# Altium PCB PT-PWR-EPS-002_v1.PcbDoc (part 3 of 3)
Units mm, origin at the board's own origin, x right, y up, seen from the top; angles counter-clockwise.
Board outline 95.89 x 90.17 mm, 4 copper layers (Top Layer, Ground Plane, Power Plane, Bottom Layer), stack 1.508 mm thick; 217 components, 132 nets, 791 pads, 383 vias.
Unrouted connection lines stored in the file: 21.
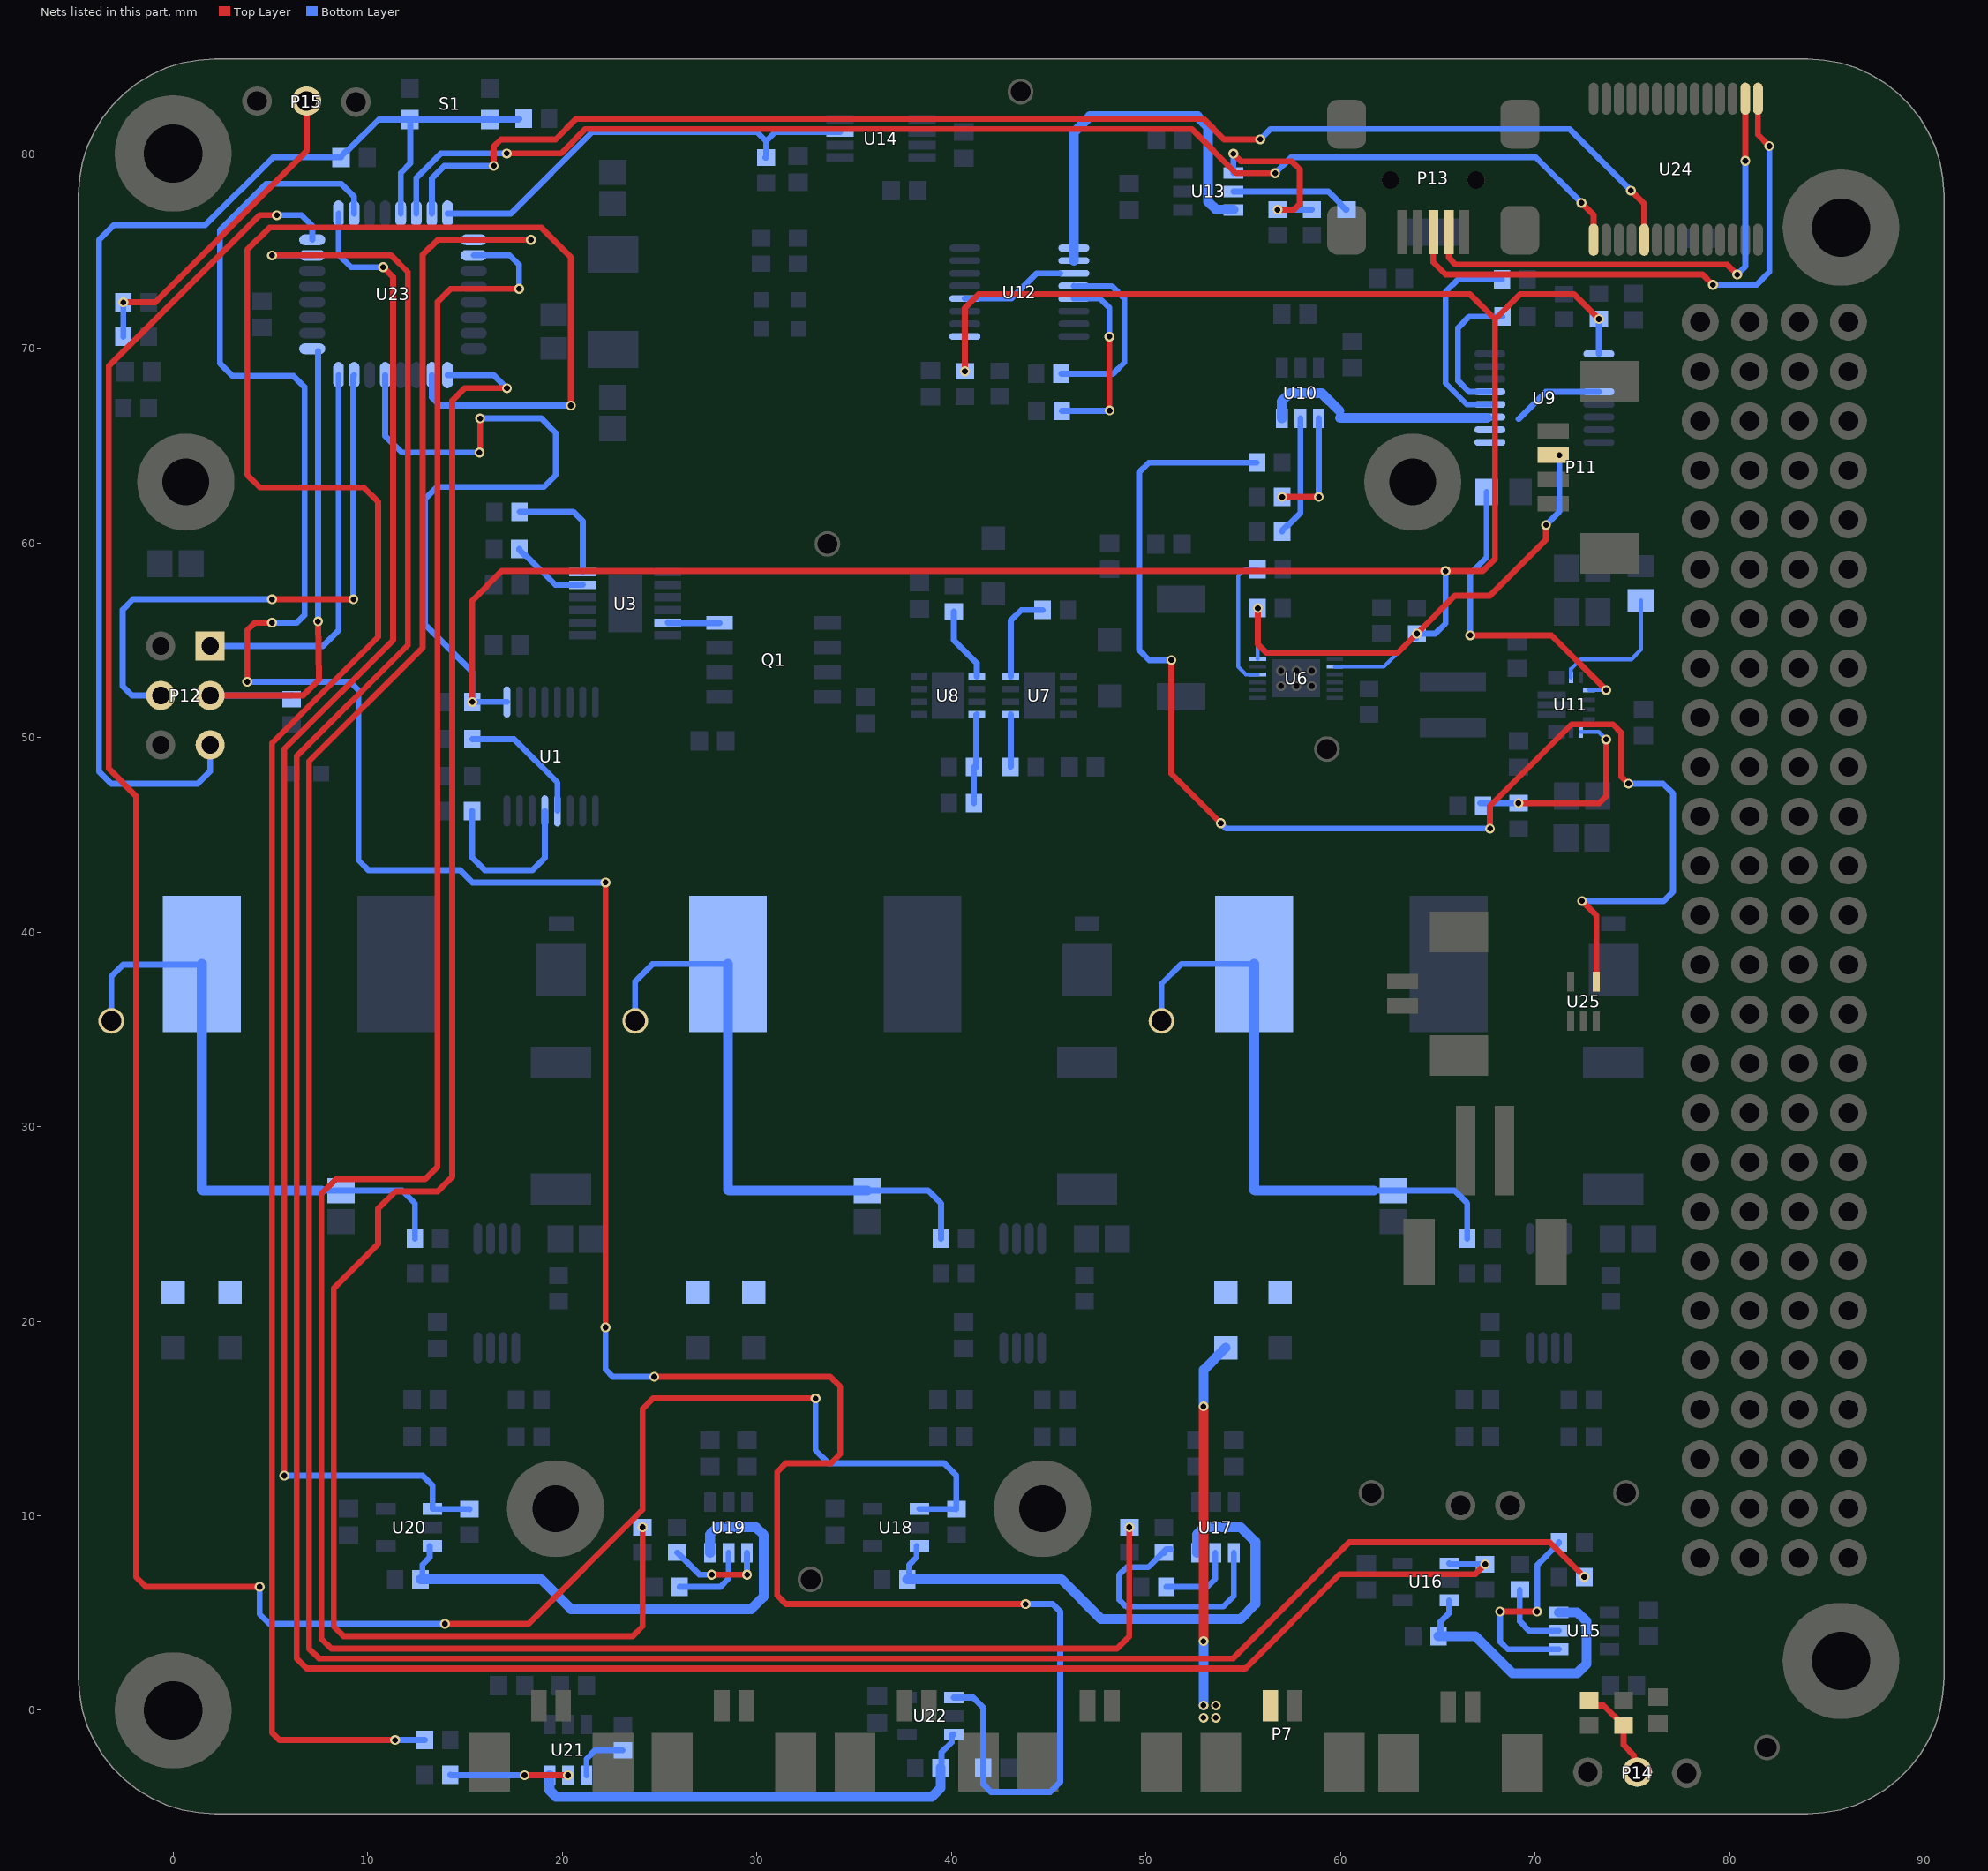
[diagram p5: the nets of this part, all layers, seen from the top]

## Via types
v1: diameter 0.508, hole 0.3, Top Layer to Bottom Layer, tented both sides, 379 vias
v2: diameter 0.35, hole 0.3, Top Layer to Bottom Layer, tented both sides, 4 vias

## Nets (pads, with @x,y where several pads share a name; then routed paths per layer and width w, separated by ;. In a path a pad name is that pad's centre, name@x,y a point inside that pad or via, vN(x,y) a via of type N, cw(c..) or ccw(c..) an arc to the next point about the centre after c; other vN are vias at no path point) (continued)
NetP11_3: P11.3 R2.1 R25.1 R27.1 R38.1 R49.1 U1.9 U6.2 U6.12 U9.9 U12.9 U23.13 | length 184.8
  Top Layer w0.305: v1(15.382,51.822) 15.382,57.038 16.891,58.547 v1(65.405,58.547) 67.31,58.547 67.945,59.182 67.945,71.486 ; v1(15.748,64.643) 15.781,64.676 v1(15.781,66.394) ; v1(40.696,68.81) 40.696,72.065 41.403,72.772 66.659,72.772 67.945,71.486 ; v1(55.753,56.642) 55.753,54.791 56.188,54.356 62.955,54.356 v1(63.929,55.331) 65.876,57.277 67.682,57.277 70.565,60.16 v1(70.565,60.913) ; v1(73.285,71.501) 73.279,71.501 72.008,72.772 69.231,72.772 67.945,71.486
  Bottom Layer w0.203: U6.12@55.753,54.032 v1(55.753,56.642) ; U6.2@59.715,53.632 62.231,53.632 63.675,55.077 R27.1@63.929,55.077
  Bottom Layer w0.305: U23.13@10.903,68.621 10.903,65.488 11.747,64.643 v1(15.748,64.643) ; v1(15.781,66.394) 18.923,66.394 19.665,65.652 19.665,63.48 19.05,62.865 13.557,62.865 12.954,62.262 12.954,55.784 15.382,53.356 v1(15.382,51.822) U1.9@17.156,51.822 ; v1(40.696,68.81) U12.9@40.696,70.599 ; v1(63.929,55.331) 64.874,55.331 65.405,55.862 v1(65.405,58.547) ; v1(70.565,60.913) 71.247,61.595 v1(71.247,64.506) ; U9.9@73.285,69.712 v1(73.285,71.501)
NetP13_2: P13.2 U24.16 | length 25.2
  Top Layer w0.305: P13.2@65.57,75.311 65.57,74.647 65.922,74.295 79.883,74.295 v1(80.391,73.787) ; P13.2@65.57,75.968 P13.2@65.668,75.87 ; v1(80.81,79.629) U24.16@80.81,82.821
  Bottom Layer w0.305: v1(80.391,73.787) 80.81,74.206 v1(80.81,79.629)
NetP13_3: P13.3 U24.15 | length 28.7
  Top Layer w0.305: P13.3@64.77,75.968 64.77,74.422 65.405,73.787 78.613,73.787 v1(79.146,73.254) ; U24.15@81.46,82.821 81.46,80.973 v1(82.042,80.391)
  Bottom Layer w0.305: v1(79.146,73.254) 81.382,73.254 82.042,73.914 v1(82.042,80.391)
NetP14_2: P14.2 R80.1 R81.1 | length 5
  Top Layer w0.305: R80.1@72.776,0.523 72.826,0.523 73.099,0.25 73.522,0.25 R81.1@74.549,-0.777 74.549,-1.778 75.083,-2.312 75.083,-2.942 P14.2@75.316,-3.175
NetP15_2: P15.2 R82.1 R83.1 | length 17
  Top Layer w0.305: v1@-2.54,72.357 -0.922,72.357 6.858,80.137 P15.2@6.858,82.702
  Bottom Layer w0.305: R83.1@-2.555,70.585 v1(-2.555,72.357)
NetQ1_G: Q1.G U3.11 | length 2.7
  Bottom Layer w0.305: U3.11@25.425,55.895 25.44,55.88 Q1.G@28.091,55.88
NetR8_2: R8.2 U1.4 | length 6.8
  Bottom Layer w0.305: R8.2@15.382,49.911 17.526,49.911 19.756,47.681 U1.4@19.756,46.222
NetR9_2: R9.2 U1.5 | length 9.1
  Bottom Layer w0.305: R9.2@15.367,46.222 15.382,46.207 15.382,43.815 16.017,43.18 18.471,43.18 19.106,43.815 U1.5@19.106,46.222
NetR16_2: R16.2 U3.6 | length 6.1
  Bottom Layer w0.305: R16.2@17.806,61.595 20.574,61.595 21.056,61.113 U3.6@21.056,58.496
NetR17_2: R17.2 U3.5 | length 4.1
  Bottom Layer w0.305: R17.2@17.795,59.69 17.795,59.64 18.068,59.367 18.118,59.367 19.639,57.846 U3.5@21.056,57.846
NetR29_1: R29.1 R34.2 U8.8 | length 4.6
  Bottom Layer w0.305: R29.1@41.163,46.624 R34.2@41.163,48.483 ; R34.2@41.29,48.483 41.29,51.167 U8.8@41.304,51.181
NetR30_2: R30.2 U6.10 | length 7
  Bottom Layer w0.203: R30.2@55.738,58.634 55.078,58.634 54.737,58.293 54.737,53.636 55.141,53.232 U6.10@55.753,53.232
NetR31_2: R31.2 U7.5 | length 2.7
  Bottom Layer w0.305: R31.2@43.038,48.483 43.053,48.498 U7.5@43.053,51.181
NetR32_2: R32.2 U8.5 | length 3.8
  Bottom Layer w0.305: R32.2@40.132,56.467 40.132,54.991 41.304,53.819 U8.5@41.304,53.131
NetR33_2: R33.2 U7.8 | length 4.7
  Bottom Layer w0.305: U7.8@43.053,53.131 43.053,56.007 43.591,56.545 R33.2@44.689,56.545
NetR36_1: R36.1 U9.5 | length 7.1
  Bottom Layer w0.305: U9.5@67.685,67.762 66.604,67.762 66.04,68.326 66.04,71.047 66.621,71.628 R36.1@68.326,71.628
NetR39_2: R39.2 U10.4 | length 5.9
  Top Layer w0.305: v1(57.003,62.357) v1(58.888,62.357)
  Bottom Layer w0.305: v1(58.888,62.357) U10.4@58.888,66.394
NetR40_2: R40.2 U10.5 | length 6.2
  Bottom Layer w0.305: R40.2@57.003,60.579 57.003,60.629 57.276,60.902 57.326,60.902 57.938,61.514 U10.5@57.938,66.394
NetR41_2: R41.2 U9.4 | length 10.6
  Bottom Layer w0.305: U9.4@67.685,67.112 66.492,67.112 65.405,68.199 65.405,72.898 66.04,73.533 R41.2@68.311,73.533
NetR42_1: R42.1 U25.4 | length 70.1
  Top Layer w0.305: v1(51.308,53.975) 51.308,48.133 v1(53.848,45.593) ; v1(67.685,45.314) 67.685,46.476 71.882,50.673 74.003,50.673 74.422,50.254 74.422,48.006 v1(74.803,47.625) ; v1(72.415,41.593) 73.152,40.855 U25.4@73.152,37.455
  Bottom Layer w0.305: v1(51.308,53.975) 50.165,53.975 49.657,54.483 49.657,63.627 50.15,64.12 R42.1@55.703,64.12 ; v1(53.848,45.593) 54.127,45.314 v1(67.685,45.314) ; v1(72.415,41.593) 76.61,41.593 77.089,42.072 77.089,47.117 76.581,47.625 v1(74.803,47.625)
NetR43_1: R43.1 U11.1 | length 16.7
  Top Layer w0.305: v1(66.675,55.245) 70.847,55.245 v1(73.66,52.432)
  Bottom Layer w0.203: U11.1@72.776,52.431 v1@73.659,52.431
  Bottom Layer w0.305: v1(66.675,55.245) 66.675,58.42 67.513,59.258 R43.1@67.513,62.611
NetR44_1: R44.1 U11.14 | length 7
  Bottom Layer w0.203: U11.14@71.851,53.081 71.851,53.52 72.338,54.007 74.946,54.007 75.438,54.499 R44.1@75.438,57.051
NetR45_1: R45.1 R46.2 U11.5 | length 11
  Top Layer w0.305: v1(69.151,46.624) 69.167,46.609 73.279,46.609 73.66,46.99 v1(73.66,49.895)
  Bottom Layer w0.203: U11.5@72.351,50.281 73.274,50.281 v1(73.66,49.895)
  Bottom Layer w0.305: R46.2@67.183,46.624 v1(69.151,46.624)
NetR47_1: R47.1 U12.4 | length 9.6
  Bottom Layer w0.305: R47.1@45.655,68.683 48.31,68.683 48.895,69.268 48.895,72.54 48.24,73.195 46.3,73.195 U12.4@46.296,73.199
NetR50_2: R50.2 R51.2 U13.4 | length 9.6
  Top Layer w0.305: v1(54.495,79.998) 54.889,79.604 57.505,79.604 57.912,79.197 57.912,77.425 57.606,77.119 v1(56.769,77.119)
  Bottom Layer w0.305: v1@54.483,80.01 v1(54.495,79.998) U13.4@54.495,79.004 ; v1(56.769,77.119) R51.2@58.532,77.119
NetR52_2: R52.2 U13.5 | length 6.2
  Bottom Layer w0.305: U13.5@54.495,78.054 59.375,78.054 59.987,77.442 59.987,77.392 60.26,77.119 R52.2@60.31,77.119
NetR53_2: R53.2 U12.5 | length 9.8
  Top Layer w0.305: v1(48.125,70.599) 48.125,66.81 v1(48.133,66.802)
  Bottom Layer w0.305: R53.2@45.67,66.778 v1@48.133,66.778 ; U12.5@46.296,72.549 47.649,72.549 48.125,72.072 v1(48.125,70.599)
NetR54_2: R54.2 U14.7 U23.32 | length 23.2
  Bottom Layer w0.305: U23.32@14.103,76.921 17.358,76.921 21.539,81.102 30.023,81.102 30.48,80.645 ; R54.2@30.43,79.804 R54.2@30.48,79.804 30.48,80.645 ; U14.7@34.279,81.102 30.937,81.102 30.48,80.645
NetR55_1: R55.1 U15.6 U16.3 | length 14.3
  Bottom Layer w0.305: R55.1@65.143,3.914 65.143,4.564 65.589,5.01 U16.3@65.589,5.654
  Bottom Layer w0.508: R55.1@65.039,3.81 66.929,3.81 68.834,1.905 72.161,1.905 72.644,2.388 72.644,4.572 72.177,5.039 U15.6@71.217,5.039
NetR56_2: R56.2 U15.4 | length 10.7
  Top Layer w0.305: v1(68.199,5.08) v1(70.104,5.08)
  Bottom Layer w0.305: v1(68.199,5.08) 68.199,3.541 68.601,3.139 U15.4@71.217,3.139 ; v1(70.104,5.08) 70.104,7.458 71.232,8.586 R56.2@71.232,8.636
NetR57_2: R57.2 U15.5 | length 3.8
  Bottom Layer w0.305: R57.2@69.215,6.208 69.215,4.572 69.698,4.089 U15.5@71.217,4.089
NetR58_2: R58.2 U16.1 U23.23 | length 148.4
  Top Layer w0.305: v1(5.08,74.771) 11.208,74.771 12.065,73.914 12.065,54.737 6.35,49.022 6.35,2.667 6.858,2.159 55.118,2.159 59.959,7 66.929,7 v1(67.437,7.508)
  Bottom Layer w0.305: v1(5.08,74.771) U23.23@7.153,74.771 ; U16.1@65.589,7.554 65.635,7.508 v1(67.437,7.508)
NetR59_1: R59.1 U23.1 | length 151.9
  Top Layer w0.305: v1@18.415,75.565 13.589,75.565 12.827,74.803 12.827,54.61 6.985,48.768 6.985,3.175 7.493,2.667 54.483,2.667 60.452,8.636 70.754,8.636 v1(72.532,6.858)
  Bottom Layer w0.305: U23.1@15.453,75.571 v1(18.395,75.571)
NetR60_1: R60.1 U17.6 U18.3 | length 28.4
  Bottom Layer w0.305: R60.1@37.838,6.835 37.838,7.485 38.214,7.861 U18.3@38.214,8.448
  Bottom Layer w0.508: R60.1@37.734,6.731 45.659,6.731 47.691,4.699 54.864,4.699 55.626,5.461 55.626,8.657 54.87,9.413 52.994,9.413 52.619,9.038 U17.6@52.619,8.098
NetR61_2: R61.2 U17.4 | length 13
  Bottom Layer w0.305: R61.2@50.942,8.098 R61.2@50.927,8.113 R61.2@50.877,8.113 ; R61.2@51.286,8.277 51.041,8.277 R61.2@50.877,8.113 ; U17.4@54.519,8.098 54.519,5.878 53.975,5.334 48.98,5.334 48.632,5.682 48.632,6.976 49.013,7.357 50.121,7.357 R61.2@50.877,8.113
NetR62_2: R62.2 U17.5 | length 4
  Bottom Layer w0.305: R62.2@51.054,6.35 53.149,6.35 53.569,6.77 U17.5@53.569,8.098
NetR63_2: R63.2 U18.1 U23.24 | length 136.1
  Top Layer w0.305: v1(4.445,6.35) -1.397,6.35 -1.905,6.858 -1.905,46.99 -3.302,48.387 -3.302,69.088 4.445,76.835 v1(5.334,76.835) ; v1(13.97,4.445) 18.263,4.445 24.129,10.311 24.129,15.493 24.663,16.027 v1(33.02,16.027)
  Bottom Layer w0.305: v1(4.445,6.35) 4.445,4.953 4.953,4.445 v1(13.97,4.445) ; v1(5.334,76.835) 6.604,76.835 7.153,76.286 U23.24@7.153,75.571 ; v1(33.02,16.027) 33.02,13.365 33.685,12.7 39.624,12.7 40.259,12.065 R63.2@40.259,10.338 40.249,10.348 U18.1@38.354,10.348
NetR64_1: R64.1 U23.2 | length 129.7
  Top Layer w0.305: v1(17.78,73.049) 14.248,73.049 13.589,72.39 13.589,27.94 12.954,27.305 8.382,27.305 7.62,26.543 7.62,3.683 8.128,3.175 48.514,3.175 49.149,3.81 v1(49.149,9.413)
  Bottom Layer w0.305: U23.2@15.453,74.771 17.304,74.771 17.78,74.295 v1(17.78,73.049)
NetR65_1: R65.1 U19.6 U20.3 | length 27.5
  Bottom Layer w0.305: R65.1@12.818,6.835 12.818,7.485 13.194,7.861 U20.3@13.194,8.448 ; U19.6@27.584,8.113 U19.6@27.599,8.098
  Bottom Layer w0.508: R65.1@12.714,6.731 18.922,6.731 20.446,5.207 29.718,5.207 30.353,5.842 30.353,9.017 29.957,9.413 27.974,9.413 27.599,9.038 U19.6@27.599,8.098
NetR66_2: R66.2 U19.4 | length 5.2
  Top Layer w0.305: v1(27.686,6.976) v1(29.499,6.976)
  Bottom Layer w0.305: R66.2@25.907,8.113 27.044,6.976 v1(27.686,6.976) ; v1(29.499,6.976) U19.4@29.499,8.098
NetR67_2: R67.2 U19.5 | length 4
  Bottom Layer w0.305: R67.2@26.034,6.35 28.13,6.35 28.549,6.77 U19.5@28.549,8.098
NetR68_2: R68.2 U20.1 U23.25 | length 80.2
  Top Layer w0.305: v1(5.714,12.065) 5.714,12.102 5.715,12.103 5.715,49.403 11.303,54.991 11.303,73.66 v1(10.795,74.168)
  Bottom Layer w0.305: v1(5.714,12.065) 12.827,12.065 13.334,11.558 U20.1@13.334,10.348 15.229,10.348 R68.2@15.239,10.338 ; U23.25@8.503,76.921 8.503,74.809 9.144,74.168 v1(10.795,74.168)
NetR69_1: R69.1 U23.9 | length 94.6
  Top Layer w0.305: v1(17.156,67.945) 14.986,67.945 14.351,67.31 14.351,27.417 13.604,26.67 11.43,26.67 10.541,25.781 10.541,23.972 8.255,21.686 8.255,4.318 8.763,3.81 23.622,3.81 24.13,4.318 v1@24.13,9.398
  Bottom Layer w0.305: U23.9@14.103,68.621 16.48,68.621 v1(17.156,67.945)
  other v1: 24.129,9.413
NetR70_1: R70.1 U21.6 U22.3 | length 24.3
  Bottom Layer w0.305: R70.1@39.447,-2.96 39.494,-2.913 39.494,-2.162 40.026,-1.63 40.026,-1.244 U22.3@40.124,-1.244
  Bottom Layer w0.508: U21.6@19.345,-3.332 19.345,-4.105 19.685,-4.445 38.989,-4.445 39.447,-3.987 R70.1@39.447,-2.96
NetR71_2: R71.2 U21.4 | length 2.9
  Bottom Layer w0.305: U21.4@21.245,-3.332 21.245,-2.504 21.702,-2.047 R71.2@23.114,-2.047
NetR72_2: R72.2 U21.5 | length 6.1
  Top Layer w0.305: v1(18.064,-3.332) v1(20.295,-3.332)
  Bottom Layer w0.305: R72.2@14.239,-3.302 14.269,-3.332 v1(18.064,-3.332)
NetR73_2: R73.2 U22.1 U23.26 | length 150.7
  Top Layer w0.305: v1(3.81,52.86) 3.81,55.499 4.206,55.895 v1(5.08,55.895) ; v1(22.225,19.685) v1(22.225,42.545) ; v1(24.734,17.145) 33.782,17.145 34.29,16.637 34.29,13.177 33.813,12.7 31.496,12.7 31.051,12.255 31.051,5.905 31.496,5.461 v1(43.815,5.461)
  Bottom Layer w0.305: v1(3.81,52.86) 9.096,52.86 9.525,52.431 9.525,43.688 10.033,43.18 14.747,43.18 15.382,42.545 v1(22.225,42.545) ; v1(5.08,55.895) 6.365,55.895 6.756,56.286 6.756,68.006 6.182,68.58 3.048,68.58 2.413,69.215 2.413,76.073 4.794,78.454 8.636,78.454 9.303,77.787 U23.26@9.303,76.921 ; v1(22.225,19.685) 22.225,17.526 22.606,17.145 v1(24.734,17.145) ; U22.1@40.124,0.656 41.127,0.656 41.641,0.142 R73.2@41.641,-2.946 41.641,-3.795 42.038,-4.192 42.29,-4.192 45.085,-4.191 45.593,-3.683 45.593,5.08 45.212,5.461 v1(43.815,5.461)
NetR74_1: R74.1 U23.10 | length 126.2
  Top Layer w0.305: v1(11.414,-1.524) 5.461,-1.524 5.08,-1.143 5.08,11.43 5.08,49.698 10.541,55.159 10.541,62.103 9.795,62.849 4.461,62.849 3.81,63.5 3.81,75.057 4.953,76.2 18.923,76.2 20.447,74.676 v1(20.447,67.056)
  Bottom Layer w0.305: v1(11.414,-1.524) R74.1@12.939,-1.524 ; U23.10@13.303,68.621 13.303,67.469 13.716,67.056 v1(20.447,67.056)
NetU9_1: U9.1 U9.2 U9.3 U9.12 U10.6 | length 16.7
  Bottom Layer w0.305: 69.151,66.358 70.556,67.762 U9.12@73.285,67.762
  Bottom Layer w0.508: U10.6@56.988,66.394 56.988,67.275 57.404,67.691 59.031,67.691 59.944,66.778 ; 59.987,66.421 U9.3@67.547,66.421
NetU12_1: U12.1 U12.2 U12.3 U12.12 U13.6 | length 24.8
  Bottom Layer w0.305: U12.12@40.696,72.549 43.085,72.549 44.385,73.849 U12.3@45.593,73.849 ; U13.6@54.495,77.104 U13.6@54.51,77.119
  Bottom Layer w0.508: U12.2@46.296,74.499 U12.1@46.296,75.149 46.296,81.094 47.117,81.915 52.654,81.915 53.198,81.371 53.198,77.535 53.614,77.119 U13.6@54.51,77.119
RESET: C55.2 P12.5 R75.1 S1.1 U23.29 | length 64.2
  Bottom Layer w0.305: P12.5@1.905,49.616 1.905,48.26 1.27,47.625 -3.175,47.625 -3.81,48.26 -3.81,75.565 -3.048,76.327 1.651,76.327 5.131,79.807 C55.2@8.628,79.807 8.628,79.857 8.926,80.154 8.976,80.154 10.571,81.75 S1.1@12.174,81.75 ; U23.29@11.703,76.921 11.703,79.013 12.192,79.502 12.192,81.732 S1.1@12.174,81.75 ; R75.1@17.794,81.788 17.756,81.75 S1.1@16.274,81.75 S1.1@12.174,81.75
RX: U23.31 U24.5 | length 70.1
  Top Layer w0.305: v1(16.481,79.375) 16.481,80.362 16.852,80.733 19.665,80.733 20.72,81.788 52.959,81.788 54.014,80.733 v1(55.88,80.733) ; v1(74.93,78.105) 75.61,77.425 U24.5@75.61,75.571
  Bottom Layer w0.305: U23.31@13.303,76.921 13.303,78.74 13.938,79.375 v1(16.481,79.375) ; v1(55.88,80.733) 56.415,81.268 71.767,81.268 v1(74.93,78.105)
SPI_MISO: P12.1 U23.16 | length 20.1
  Bottom Layer w0.305: P12.1@1.905,54.696 7.706,54.696 8.503,55.493 U23.16@8.503,68.621
SPI_MOSI: P12.4 U23.15 | length 29.7
  Top Layer w0.305: v1(5.08,57.095) v1(9.271,57.095)
  Bottom Layer w0.305: P12.4@-0.635,52.156 -2.118,52.156 -2.595,52.633 -2.595,56.562 -2.061,57.095 v1(5.08,57.095) ; v1(9.271,57.095) 9.271,68.589 U23.15@9.303,68.621
SPI_SCK: P12.3 R78.2 U23.17 | length 27.1
  Top Layer w0.305: P12.3@1.905,52.156 6.69,52.156 7.493,52.959 v1(7.448,55.962) v1@7.379,55.962
  Bottom Layer w0.305: P12.3@1.905,52.156 6.069,52.156 R78.2@6.096,52.183 ; v1(7.448,55.962) U23.17@7.448,69.844
TX: U23.30 U24.1 | length 67.2
  Top Layer w0.305: v1(17.145,80.01) 19.939,80.01 21.195,81.266 52.353,81.266 54.625,78.994 v1(56.642,78.994) ; v1(72.39,77.47) 73.01,76.85 U24.1@73.01,75.571
  Bottom Layer w0.305: U23.30@12.503,76.921 12.503,78.765 13.748,80.01 v1(17.145,80.01) ; v1(56.642,78.994) 57.455,79.807 70.053,79.807 v1(72.39,77.47)
X: C4.2 D1.2 D3.2 L1.1 R4.1 TP1.1 | length 31.9
  Bottom Layer w0.305: TP1.1@-3.175,35.433 -3.175,37.719 -2.571,38.323 1.446,38.323 L1.1@1.477,38.354 ; 1.477,26.749 1.524,26.702 1.53,26.708 ; 7.62,26.708 C4.2@8.636,26.708 11.773,26.708 12.431,26.05 R4.1@12.431,24.232
  Bottom Layer w0.508: 1.477,26.749 L1.1@1.477,38.354 ; 1.53,26.708 7.62,26.708
Y: C12.2 D2.2 D4.2 L2.1 R12.1 TP4.1 | length 32.9
  Bottom Layer w0.305: TP4.1@23.749,35.433 23.749,37.465 24.638,38.354 L2.1@28.513,38.354 ; 28.513,26.749 28.56,26.702 28.566,26.708 ; 34.656,26.708 38.809,26.708 39.467,26.05 R12.1@39.467,24.232
  Bottom Layer w0.508: 28.513,26.749 L2.1@28.513,38.354 ; 28.566,26.708 C12.2@35.672,26.708
Z: C17.2 D5.2 D6.2 L3.1 R20.1 TP5.1 | length 31.8
  Bottom Layer w0.305: TP5.1@50.8,35.433 50.8,37.338 51.816,38.354 L3.1@55.564,38.354 ; 55.564,26.749 55.611,26.702 55.617,26.708 ; 61.707,26.708 C17.2@62.723,26.708 65.86,26.708 66.518,26.05 R20.1@66.518,24.232
  Bottom Layer w0.508: 55.564,26.749 L3.1@55.564,38.354 ; 55.617,26.708 61.707,26.708
Z+: D5.1 P7.1 | length 18.9
  Top Layer w0.508: v1(52.959,3.556) v1(52.959,15.621)
  Bottom Layer w0.508: v1(52.959,0.254) v1(52.959,3.556) ; v1(52.959,15.621) 52.959,17.493 D5.1@54.102,18.636
  other v1: 52.959,-0.381 53.594,-0.381 53.594,0.254
pads on no net: P1.2 P1.4 P1.19 P1.20 P1.21 P1.22 P1.23 P1.24 P1.25 P1.26 P1.27 P1.28 P1.29 P1.30 P1.31 P1.32 P1.33 P1.34 P1.35 P1.36 P1.37 P1.38 P1.39 P1.40 P1.42 P1.44 P1.45 P1.46 P1.47 P1.48 P1.49 P1.50 P2.19 P2.20 P2.21 P2.22 P2.23 P2.24 P2.25 P2.26 P2.27 P2.28 P2.33 P2.34 P2.35 P2.36 P2.37 P2.38 P2.39 P2.40 P2.41 P2.42 P2.43 P2.44 P2.45 P2.46 P2.47 P2.48 P2.49 P2.50 P2.51 P2.52 P3.0 P4.0 P5.0 P6.0 P7.0 P8.0 P9. P10.0 P11.0 P13.4 P13.M P13.S U1.7 U1.13 U3.13 U6.4 U6.9 U6.11 U9.7 U9.13 U11.2 U12.7 U12.13 U23.11 U23.14 U23.19 U23.22 U24.3 U24.6 U24.8 U24.9 U24.10 U24.11 U24.12 U24.13 U24.14 U24.19 U24.24 U24.27 U24.28

## Polygon pours and split planes (outlines as drawn)
GND on Top Layer "Top Layer-GND 6" (solid, pour order 338): 66.929,31.75 66.929,26.416 64.969,26.416 64.969,31.75
GND on Top Layer "Top Layer-GND 1" (solid, pour order 336): 66.294,-0.815 66.294,1.598 70.485,1.598 70.485,-0.815
Z+ on Top Layer "Top Layer-Y+" (solid, pour order 110): 56.896,-0.762 56.896,1.651 52.578,1.651 52.578,-0.762
NetP1_9 on Top Layer "Top Layer-NetP1_9" (solid, pour order 308): 87.503,62.23 87.503,57.522 87.494,57.512 77.216,57.512 77.216,62.23
NetC22_2 on Top Layer "Top Layer-NetP1_5" (solid, pour order 334): 87.503,72.39 87.503,67.682 87.494,67.672 82.423,67.672 82.423,72.39
no net on Top Layer "Top Layer-No Net 1" (solid, pour order 324): 68.961,26.543
NetP1_5 on Top Layer "Top Layer-NetP1_5" (solid, pour order 314): 87.503,67.31 87.503,62.602 87.494,62.592 77.216,62.592 77.216,67.31
NetD6_1 on Top Layer "Top Layer-Z+" (solid, pour order 306): 87.503,52.07 87.503,49.911 77.216,49.911 77.216,52.07
NetC38_2 on Top Layer "Top Layer-NetC41_2" (solid, pour order 304): 87.503,57.15 87.503,52.442 87.494,52.432 77.216,52.432 77.216,57.15
NetD4_1 on Top Layer "Top Layer-X+" (solid, pour order 278): 47.498,-0.762 47.498,1.651 43.18,1.651 43.18,-0.762
NetD2_1 on Top Layer "Top Layer-Y+" (solid, pour order 92): 38.1,-0.762 38.1,1.651 33.782,1.651 33.782,-0.762
NetD3_1 on Top Layer "Top Layer-X+" (solid, pour order 270): 28.702,-0.762 28.702,1.651 24.384,1.651 24.384,-0.762
NetD1_1 on Top Layer "Top Layer-X+" (solid, pour order 14): 19.304,-0.762 19.304,1.651 14.986,1.651 14.986,-0.762
NetL4_2 on Top Layer "Top Layer-NetL4_2" (solid, pour order 224): 71.247,51.435 71.247,50.927 71.228,50.946 68.072,50.946 68.072,50.927 67.31,50.165 64.135,50.165 64.135,51.435
NetL4_1 on Top Layer "Top Layer-NetL4_1" (solid, pour order 222): 71.247,51.943 71.247,52.451 71.228,52.432 68.072,52.432 68.072,52.451 67.31,53.213 64.135,53.213 64.135,51.943
GND on Top Layer "Top Layer-GND 1" (solid, pour order 10): 57.15,-0.762 57.15,1.651 61.341,1.651 61.341,-0.762
GND on Top Layer "Top Layer-GND 2" (solid, pour order 8): 47.752,-0.762 47.752,1.651 51.943,1.651 51.943,-0.762
GND on Top Layer "Top Layer-GND 3" (solid, pour order 6): 38.354,-0.762 38.354,1.651 42.545,1.651 42.545,-0.762
GND on Top Layer "Top Layer-GND 4" (solid, pour order 4): 28.956,-0.762 28.956,1.651 33.147,1.651 33.147,-0.762
GND on Top Layer "Top Layer-GND 5" (solid, pour order 0): 19.558,-0.762 19.558,1.651 23.749,1.651 23.749,-0.762
GND on Bottom Layer "Bottom Layer-No Net 3" (solid, pour order 310): 30.098,14.478 30.098,13.335 23.875,13.335 23.875,14.478
4V2_MPB on Bottom Layer "Bottom Layer-4V2_MPB 4" (solid, pour order 232): 56.134,65.278 56.134,68.072 56.54,68.478 57.404,68.478 57.404,72.39 55.88,72.39 55.245,71.755 55.245,65.278
NetU9_1 on Bottom Layer "Bottom Layer-NetU9_6" (solid, pour order 190): 59.563,66.929 66.194,66.929 66.448,66.675 69.469,66.675 69.469,64.897 66.421,64.897 65.405,65.913 59.563,65.913
3V3_EPS on Bottom Layer "Bottom Layer-3V3_EPS 4" (solid, pour order 354): 19.685,-1.244 19.685,-0.127 18.796,0.762 18.796,2.794 13.563,2.794 12.818,2.049 12.827,2.039 12.827,0.889 13.589,0.889 13.589,1.94 13.843,2.194 17.121,2.194 17.526,1.789 17.526,-1.244
GND on Bottom Layer "Bottom Layer-GND 13" (solid, pour order 352): 61.976,6.727 61.972,6.731 59.944,6.731 59.944,4.426 61.976,4.426
GND on Bottom Layer "Bottom Layer-GND 14" (solid, pour order 346): 43.688,47.117 45.339,47.117 45.339,52.959 46.482,52.959 46.482,54.991 43.69,54.991 43.688,54.993
no net on Bottom Layer "Bottom Layer-No Net 15" (solid, pour order 344): 43.845,48.006
GND on Bottom Layer "Bottom Layer-GND 15" (solid, pour order 342): 37.846,51.382 38.989,51.382 38.989,53.356 40.657,53.356 40.665,53.348 40.665,49.276 37.846,49.276
GND on Bottom Layer "Bottom Layer-GND 11" (solid, pour order 198): 72.351,59.904 72.351,55.608 70.972,54.229 68.199,54.229 68.199,59.904
Z+ on Bottom Layer "Bottom Layer-Y+" (solid, pour order 112): 52.578,0.635 53.975,0.635 53.975,-0.762 52.578,-0.762
4V2_MPB on Bottom Layer "Bottom Layer-4V2_MPB" (solid, pour order 180): 36.195,56.388 34.925,56.388 34.925,60.96 42.911,60.96 42.926,60.945 42.926,59.563 39.315,59.563 38.894,59.984 36.616,59.984 36.195,59.563
3V3_EPS on Bottom Layer "Bottom Layer-3V3_EPS 3" (solid, pour order 204): 70.612,50.657 70.612,49.768 72.517,47.863 72.517,43.037 72.517,42.656 76.708,42.656 76.708,45.323 74.422,45.323 74.041,45.704 74.041,48.244 73.447,48.838 72.517,48.838 71.587,49.768 71.587,50.657
3V3_EPS on Bottom Layer "Bottom Layer-No Net 4" (solid, pour order 312): 27.944,10.16 27.939,11.303 28.193,11.557 28.193,13.081 23.898,13.081 23.479,12.662 23.479,10.16 24.764,10.16
GND on Bottom Layer "Bottom Layer-GND" (solid, pour order 302): 55.118,14.478 55.118,13.335 48.895,13.335 48.895,14.478
3V3_EPS on Bottom Layer "Bottom Layer-3V3_EPS" (solid, pour order 300): 52.964,10.16 52.959,11.303 53.213,11.557 53.213,13.081 48.918,13.081 48.499,12.662 48.499,10.16 49.784,10.16
Z on Bottom Layer "Bottom Layer-Z" (solid, pour order 282): 58.024,29.337 58.024,20.701 52.964,20.701 52.964,29.337
NetD4_1 on Bottom Layer "Bottom Layer-Y+" (solid, pour order 280): 43.18,0.635 44.577,0.635 44.577,-0.762 43.18,-0.762
NetD2_1 on Bottom Layer "Bottom Layer-Y+" (solid, pour order 98): 33.782,0.635 35.179,0.635 35.179,-0.762 33.782,-0.762
Y on Bottom Layer "Bottom Layer-Y" (solid, pour order 276): 30.973,29.337 30.973,20.701 25.913,20.701 25.913,29.337
NetD3_1 on Bottom Layer "Bottom Layer-X+" (solid, pour order 274): 24.384,0.635 25.781,0.635 25.781,-0.762 24.384,-0.762
X on Bottom Layer "Bottom Layer-X" (solid, pour order 268): 3.937,29.337 3.937,20.701 -1.123,20.701 -1.123,29.337
no net on Bottom Layer "Bottom Layer-No Net 5" (solid, pour order 266): 3.683,20.955
NetD1_1 on Bottom Layer "Bottom Layer-X+" (solid, pour order 24): 14.986,0.635 16.383,0.635 16.383,-0.762 14.986,-0.762
Z on Bottom Layer "Bottom Layer-NetC6_2" (solid, pour order 102): 58.024,29.337 58.024,42.545 52.964,42.545 52.964,29.337
Y on Bottom Layer "Bottom Layer-NetC6_2" (solid, pour order 86): 30.973,29.337 30.973,42.545 25.913,42.545 25.913,29.337
X on Bottom Layer "Bottom Layer-NetC1_2" (solid, pour order 22): 3.937,29.337 3.937,42.545 -1.123,42.545 -1.123,29.337
GND on Bottom Layer "Bottom Layer-GND 1" (solid, pour order 264): 74.676,0.635 74.676,3.556 74.549,3.683 73.285,3.683 73.285,4.445 79.502,4.445 79.502,0.635
no net on Bottom Layer "Bottom Layer-No Net 6" (solid, pour order 262): 73.285,3.683
no net on Bottom Layer "Bottom Layer-No Net 7" (solid, pour order 260): 74.676,0.635
no net on Bottom Layer "Bottom Layer-No Net 8" (solid, pour order 258): 74.676,0.635
3V3_EPS on Bottom Layer "Bottom Layer-3V3_EPS 1" (solid, pour order 254): 79.502,4.564 79.502,8.89 74.382,8.89 73.285,7.793 73.285,4.564
NetC38_2 on Bottom Layer "Bottom Layer-NetC41_2" (solid, pour order 252): 40.132,80.645 44.45,80.645 44.45,83.947 40.132,83.947
NetC39_2 on Bottom Layer "Bottom Layer-NetC39_2" (solid, pour order 250): 41.973,73.66 41.973,76.081 41.219,76.835 37.749,76.835 37.465,77.119 37.465,80.137 37.592,80.264 39.228,80.264 39.228,80.733 36.613,80.733 36.195,80.315 36.195,73.66
no net on Bottom Layer "Bottom Layer-No Net 9" (solid, pour order 248): 41.973,73.66
no net on Bottom Layer "Bottom Layer-No Net 10" (solid, pour order 246): 41.402,73.66
GND on Bottom Layer "Bottom Layer-GND 2" (solid, pour order 244): 37.719,80.01 39.243,80.01 39.497,80.264 41.275,80.264 41.275,77.52 37.719,77.52
NetU12_1 on Bottom Layer "Bottom Layer-NetU12_6" (solid, pour order 242): 47.117,73.66 47.117,81.026 47.752,81.661 47.752,82.169 46.736,82.169 45.466,80.899 45.466,73.66
no net on Bottom Layer "Bottom Layer-No Net 11" (solid, pour order 236): 56.246,76.25
4V2_MPB on Bottom Layer "Bottom Layer-4V2_MPB 3" (solid, pour order 234): 57.262,76.25 52.817,76.25 52.411,76.656 52.411,77.52 48.499,77.52 48.499,75.996 49.134,75.361 57.262,75.361
no net on Bottom Layer "Bottom Layer-No Net 12" (solid, pour order 230): 56.134,64.643
GND on Bottom Layer "Bottom Layer-GND 3" (solid, pour order 228): 63.5,49.702 63.5,47.498 62.469,47.498 62.469,49.702
GND on Bottom Layer "Bottom Layer-GND 4" (solid, pour order 226): 63.754,49.702 63.754,53.554 67.809,53.554 67.818,53.563 67.818,54.737 63.858,54.737 62.469,53.348 62.469,49.702
GND on Bottom Layer "Bottom Layer-GND 5" (solid, pour order 220): 68.262,49.149 67.676,49.149 67.676,49.702 63.5,49.702 63.5,47.498 68.262,47.498
GND on Bottom Layer "Bottom Layer-GND 6" (solid, pour order 218): 72.009,51.531 69.977,51.531 69.611,51.165 63.754,51.165 63.754,51.681 72.009,51.681
GND on Bottom Layer "Bottom Layer-GND 7" (solid, pour order 216): 72.009,51.831 69.977,51.831 69.611,52.197 63.739,52.197 63.739,51.681 72.009,51.681
GND on Bottom Layer "Bottom Layer-GND 8" (solid, pour order 214): 72.38,47.498 72.38,44.069 70.851,44.069 69.85,45.07 69.85,47.498
GND on Bottom Layer "Bottom Layer-GND 9" (solid, pour order 212): 72.415,47.498 72.415,47.77 71.036,49.149 68.262,49.149 68.262,47.498
3V3_EPS on Bottom Layer "Bottom Layer-3V3_EPS 2" (solid, pour order 210): 70.675,50.657 68.39,50.657 68.389,49.319 70.21,49.319 70.675,49.784
GND on Bottom Layer "Bottom Layer-GND 10" (solid, pour order 200): 76.2,50.546 74.295,50.546 74.295,48.26 76.2,48.26
NetC28_2 on Bottom Layer "Bottom Layer-NetC29_2" (solid, pour order 194): 70.612,52.705 70.612,53.594 72.517,55.499 72.517,60.325 71.755,61.087 71.755,66.645 71.755,66.675 76.2,66.675 76.2,58.039 74.422,58.039 74.041,57.658 74.041,55.118 73.447,54.524 72.517,54.524 71.587,53.594 71.587,52.705
NetC28_2 on Bottom Layer "Bottom Layer-NetC29_2 1" (solid, pour order 196): 70.612,52.705 68.326,52.705 68.326,54.059 70.147,54.059 70.612,53.594
no net on Bottom Layer "Bottom Layer-No Net 13" (solid, pour order 192): 70.612,52.705
no net on Bottom Layer "Bottom Layer-No Net 14" (solid, pour order 188): 68.692,64.897 68.707,64.912 68.707,66.675
GND on Bottom Layer "Bottom Layer-GND 12" (solid, pour order 186): 36.195,51.308 29.718,51.308 29.718,47.625 36.195,47.625
NetD10_2 on Bottom Layer "Bottom Layer-NetD7_2" (solid, pour order 184): 53.912,52.133 53.086,52.959 47.625,52.959 47.371,52.705 47.371,51.562 47.625,51.308 56.261,51.308 56.261,52.133
NetC22_2 on Bottom Layer "Bottom Layer-NetC24_2" (solid, pour order 182): 53.086,59.054 50.546,59.056 50.546,56.119 54.341,52.324 56.261,52.324 56.261,52.578 54.626,52.578 53.086,54.118
no net on Bottom Layer "Bottom Layer-No Net 1" (solid, pour order 178): 36.068,56.276
NetC21_2 on Bottom Layer "Bottom Layer-NetC21_2" (solid, pour order 172): 42.799,57.776 41.529,57.776 41.529,59.182 48.753,59.182 48.753,54.356 47.498,54.356 47.498,57.912 42.799,57.912
NetC21_2 on Bottom Layer "Bottom Layer-NetC21_2 1" (solid, pour order 170): 41.529,57.776 41.529,56.458 41.91,56.077 41.91,52.696 42.418,52.696 42.418,57.776
NetC21_2 on Bottom Layer "Bottom Layer-NetC21_2 2" (solid, pour order 168): 42.799,57.776 42.799,56.467 42.418,56.086 42.418,52.705 41.91,52.705 41.91,57.776
NetD10_2 on Bottom Layer "Bottom Layer-NetD7_2 1" (solid, pour order 164): 52.959,52.705 45.466,52.705 45.466,51.562 52.959,51.562
NetC21_2 on Bottom Layer "Bottom Layer-NetC21_2 3" (solid, pour order 162): 43.561,52.705 40.767,52.705 40.767,51.562 43.561,51.562
4V2_MPB on Bottom Layer "Bottom Layer-4V2_MPB 1" (solid, pour order 160): 36.195,51.562 38.862,51.562 38.862,52.705 36.195,52.705
4V2_MPB on Bottom Layer "Bottom Layer-4V2_MPB 2" (solid, pour order 158): 36.195,51.562 29.718,51.562 29.718,56.388 36.195,56.388
no net on Bottom Layer "Bottom Layer-No Net 2" (solid, pour order 156): 29.877,51.715
4V2_MPPT on Bottom Layer "Bottom Layer-4V2_MPPT" (solid, pour order 154): 28.956,51.689 28.956,55.118 26.67,55.118 26.289,55.499 24.638,55.499 24.13,54.991 20.193,54.991 20.193,51.689
4V2_MPPT on Bottom Layer "Bottom Layer-4V2_MPPT 2" (solid, pour order 122): 21.971,56.769 20.193,56.769 20.193,49.669 21.971,49.669
4V2_X on Bottom Layer "Bottom Layer-4V2_X 1" (solid, pour order 120): 23.749,43.942 23.749,44.704 20.193,44.704 20.193,43.942
4V2_X on Bottom Layer "Bottom Layer-4V2_X 2" (solid, pour order 118): 21.971,48.26 20.193,48.26 20.193,44.069 21.971,44.069
4V2_X on Bottom Layer "Bottom Layer-4V2_Y" (solid, pour order 80): 48.753,39.497 45.197,39.497 45.197,31.75 48.753,31.75
NetC15_1 on Bottom Layer "Bottom Layer-NetC8_1" (solid, pour order 106): 71.486,27.686 71.486,22.551 72.137,21.9 74.661,21.9 74.661,25.019 75.804,26.162 75.804,27.686
NetL3_2 on Bottom Layer "Bottom Layer-NetL2_2" (solid, pour order 104): 71.232,23.711 71.232,39.967 68.908,42.291 61.707,42.291 61.707,29.299 62.469,28.537 68.326,28.537 70.851,26.012 70.851,23.711
NetL2_2 on Bottom Layer "Bottom Layer-NetL2_2" (solid, pour order 84): 44.181,23.711 44.181,39.967 41.641,42.507 34.656,42.507 34.656,29.299 35.418,28.537 41.275,28.537 43.8,26.012 43.8,23.711
NetC9_1 on Bottom Layer "Bottom Layer-NetC8_1" (solid, pour order 82): 44.435,27.686 44.435,22.551 45.086,21.9 47.61,21.9 47.61,25.019 48.753,26.162 48.753,27.686
4V2_X on Bottom Layer "Bottom Layer-4V2_X" (solid, pour order 30): 21.717,39.497 18.161,39.497 18.161,31.75 21.717,31.75
NetC2_1 on Bottom Layer "Bottom Layer-NetC3_1" (solid, pour order 28): 17.399,27.686 17.399,22.551 18.05,21.9 20.574,21.9 20.574,25.019 21.717,26.162 21.717,27.686
NetL1_2 on Bottom Layer "Bottom Layer-NetL1_2" (solid, pour order 26): 17.145,23.711 17.145,39.967 14.605,42.507 7.62,42.507 7.62,29.299 8.382,28.537 14.239,28.537 16.764,26.012 16.764,23.711
no net on Bottom Layer "Bottom Layer-No Net" (solid, pour order 16): 15.367,0.254
GND on Ground Plane (split plane): 84.802,84.301 85.573,84.16 86.321,83.927 87.035,83.605 87.706,83.2 88.323,82.717 88.877,82.163 89.36,81.546 89.765,80.875 90.087,80.161 90.32,79.413 90.461,78.642 90.51,77.845 90.51,1.705 90.461,0.908 90.32,0.137 90.087,-0.611 89.765,-1.325 89.36,-1.996 88.877,-2.613 88.323,-3.167 87.706,-3.65 87.035,-4.055 86.321,-4.377 85.573,-4.61 84.802,-4.751 84.005,-4.8 2.15,-4.8 1.353,-4.751 0.582,-4.61 -0.166,-4.377 -0.88,-4.055 -1.551,-3.65 -2.168,-3.167 -2.722,-2.613 -3.205,-1.996 -3.61,-1.325 -3.932,-0.611 -4.165,0.137 -4.306,0.908 -4.355,1.705 -4.355,77.845 -4.306,78.642 -4.165,79.413 -3.932,80.161 -3.61,80.875 -3.205,81.546 -2.722,82.163 -2.168,82.717 -1.551,83.2 -0.88,83.605 -0.166,83.927 0.582,84.16 1.353,84.301 2.15,84.35 84.005,84.35
3V3_EPS on Power Plane (split plane): 84.802,84.301 85.573,84.16 86.321,83.927 87.035,83.605 87.706,83.2 88.323,82.717 88.877,82.163 89.36,81.546 89.765,80.875 90.087,80.161 90.32,79.413 90.461,78.642 90.51,77.845 90.51,1.705 90.461,0.908 90.32,0.137 90.087,-0.611 89.765,-1.325 89.36,-1.996 88.877,-2.613 88.323,-3.167 87.706,-3.65 87.035,-4.055 86.321,-4.377 85.573,-4.61 84.802,-4.751 84.005,-4.8 2.15,-4.8 1.353,-4.751 0.582,-4.61 -0.166,-4.377 -0.88,-4.055 -1.551,-3.65 -2.168,-3.167 -2.722,-2.613 -3.205,-1.996 -3.61,-1.325 -3.932,-0.611 -4.165,0.137 -4.306,0.908 -4.355,1.705 -4.355,77.845 -4.306,78.642 -4.165,79.413 -3.932,80.161 -3.61,80.875 -3.205,81.546 -2.722,82.163 -2.168,82.717 -1.551,83.2 -0.88,83.605 -0.166,83.927 0.582,84.16 1.353,84.301 2.15,84.35 84.005,84.35

## Silkscreen, mask and mechanical layers (free items; w line width, h text height)
Top Overlay:
  lines w0.254: 65.405,19.05 66.675,19.05 ; 67.691,19.05 68.961,19.05 ; 68.326,18.415 68.326,19.685
  text "5V_EPS" at 44.685,82.55 h1
  text "TEMPERATURE / SENSOR" at 60.325,66.675 h1
  text "MPB" at 29.718,59.309 h1
  text "EPS  / QUETZAL-1" at 59.182,54.991 h1.52
  text "PLD_3V3" at 50.165,48.895 h1
  text "X_PANELS" at -3.683,44.45 h1 r270
  text "Y_PANELS" at 23.241,44.45 h1 r270
  text "Z_PANELS" at 50.292,44.45 h1 r270
  text "u" at 63.119,42.799 h17.78
  text "RBF" at 68.326,40.259 h1
  text "HECHO EN GUATEMALA" at 0,39.497 h1.75 r270
  text "4V2 LiPo/LiIon" at 63.119,20.32 h1
  text "FPP" at 66.167,12.319 h1
  text "MPPT" at 56.642,10.668 h1
  text "ADCS / 3V3" at 31.75,8.001 h1
  text "3V3 / EPS" at 73.152,6.985 h1
  text "P/N: PT-PWR-EPS-002" at 28.702,3.81 h1.52
  text "HEATER" at 63.373,1.651 h1
  text "X+" at 14.981,0.508 h1.52
  text "X-" at 24.379,0.508 h1.52
  text "Y+" at 33.777,0.508 h1.52
  text "Y-" at 43.175,0.508 h1.52
  text "Z+" at 52.573,0.508 h1.52
  text "COMM / 3V3" at 83.058,-3.683 h1
Bottom Overlay:
  drawing of 3323 lines, arcs and shapes, not listed
  text "5V_EPS" at 50.292,82.55 h1
  text "HECHO EN GUATEMALA" at 84.201,82.55 h1.25
  text "Laboratorio de Ingenieria Aeroespacial / Universidad del Valle de Guatemala" at 87.503,79.375 h0.75
  text "TX" at 30.861,68.58 h1
  text "RX" at 33.147,68.58 h1
  text "JFM" at 62.611,66.421 h1
  text "MPB" at 34.417,57.658 h1
  text "ICSP" at -2.413,54.686 h1.52 r90
  text "PLD_3V3" at 60.071,47.117 h1
  text "X_PANELS" at -3.683,36.83 h1 r270
  text "Z_PANELS" at 50.261,36.83 h1 r270
  text "Y_PANELS" at 23.241,36.734 h1 r270
  text "MPPT" at 60.325,10.668 h1
  text "3V3 / EPS" at 73.533,9.779 h1
  text "u" at 5.715,5.461 h14
  text "ADCS / 3V3" at 33.782,2.667 h1
  text "COMM / 3V3" at 87.122,-3.683 h1
  text "QUETZAL-1 / PT-PWR-EPS-002 / VERSION: v1.1 / SERIAL NO:" at 58.293,-3.787 h1
Mechanical Drawing:
  lines w0.762: -4.865,1.69 ccw(c2.135,1.69) 2.135,-5.31 84.02,-5.31 84.864,-5.259 85.695,-5.107 86.502,-4.855 87.273,-4.508 87.996,-4.071 88.662,-3.55 89.26,-2.952 89.781,-2.286 90.218,-1.563 90.565,-0.792 90.817,0.015 90.969,0.846 91.02,1.69 91.02,77.86 90.969,78.704 90.817,79.535 90.565,80.342 90.218,81.113 89.781,81.836 89.26,82.502 88.662,83.1 87.996,83.621 87.273,84.058 86.502,84.405 85.695,84.657 84.864,84.809 84.02,84.86 2.135,84.86 1.291,84.809 0.46,84.657 -0.347,84.405 -1.118,84.058 -1.841,83.621 -2.507,83.1 -3.105,82.502 -3.626,81.836 -4.063,81.113 -4.41,80.342 -4.662,79.535 -4.814,78.704 -4.865,77.86 -4.865,1.69
  text "Mechanical Drawing of PT-PWR-EPS-002_v1" at 13.843,88.646 h1.52
  text "Units: mm" at -21.209,-12.446 h1.52
  text "Scale: 1:1" at -21.209,-14.986 h1.52
Board Outline (Mech28):
  the board outline again, w0.762
Top ASM:
  text "Assembly TOP of PT-PWR-EPS-002_v1" at 18.415,88.646 h1.52
Bottom ASM:
  text "Assembly BOTTOM of PT-PWR-EPS-002_v1" at 69.342,88.646 h1.52

## Dimensions
0,0 to 85.725,2.54 on Mechanical Drawing
0,0 to 0,80.01 on Mechanical Drawing
85.725,76.2 to 85.725,2.54 on Mechanical Drawing
2.135,1.69 to -8.166,-8.611 on Mechanical Drawing
2.135,-5.31 to 2.135,84.86 on Mechanical Drawing
-4.865,77.86 to 91.02,77.86 on Mechanical Drawing